# KiCad board gk-pcbv3.kicad_pcb (continued)
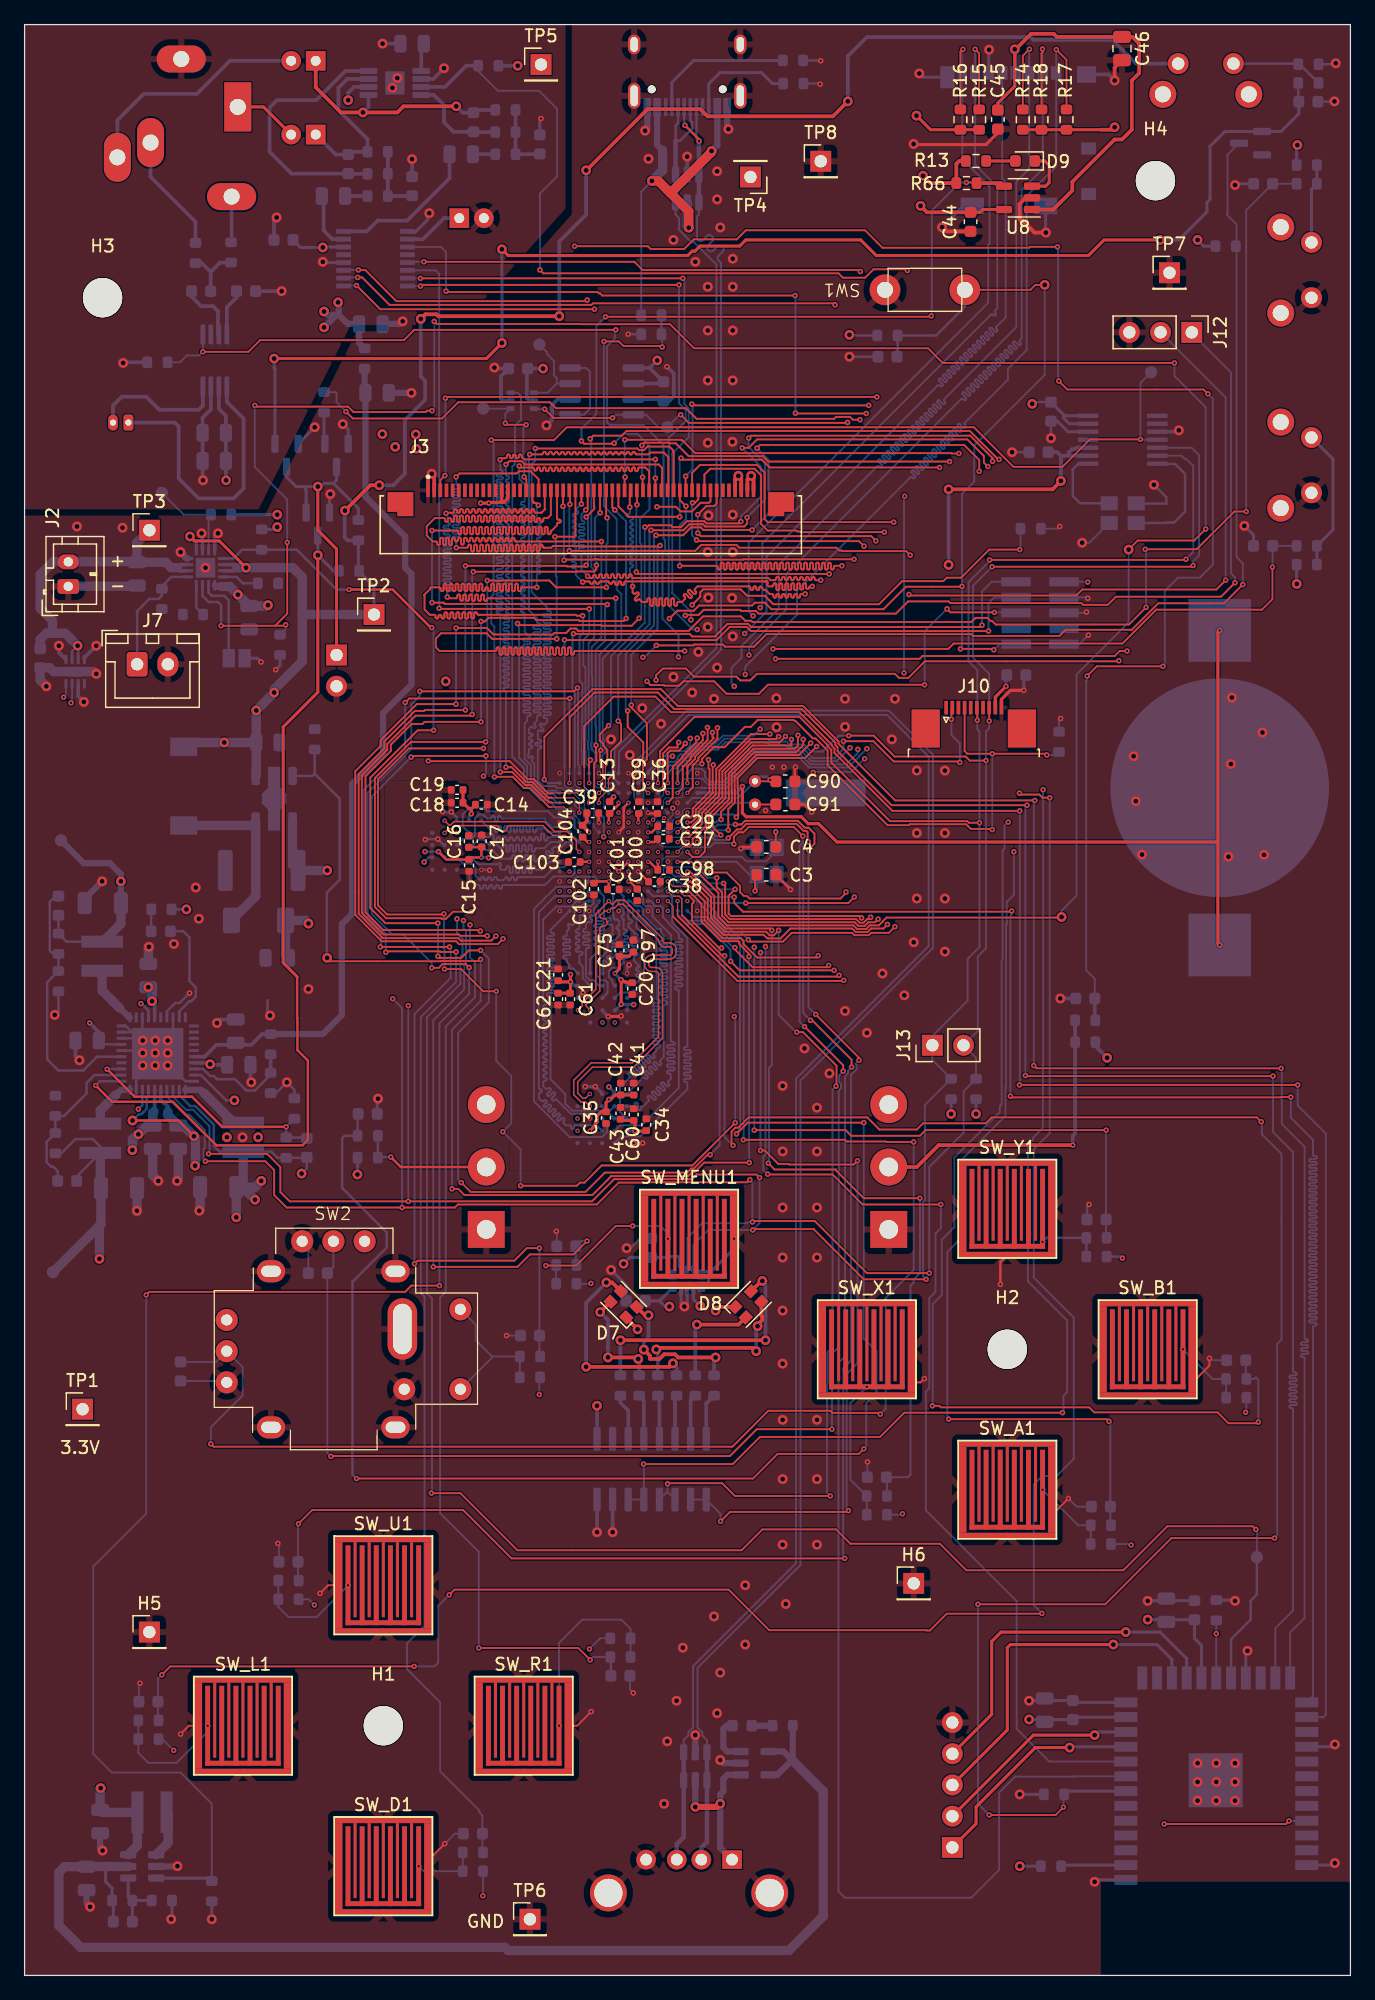
[diagram p0: board, top side]
## Footprints (pads in the part's own frame, mm; a bottom-side part is the same pattern mirrored in y, then rotated)
05-08-1681_ADI
  rect 0.813x0.254 smd: 1(-2.946,2.25) 2(-2.946,1.75) 3(-2.946,1.25) 4(-2.946,0.75) 5(-2.946,0.25) 6(-2.946,-0.25) 7(-2.946,-0.75) 8(-2.946,-1.25) 10(-2.946,-2.25) 21(2.946,-2.25) 22(2.946,-1.75) 23(2.946,-1.25) 24(2.946,-0.75) 25(2.946,-0.25) 26(2.946,0.25) 27(2.946,0.75) 28(2.946,1.25) 29(2.946,1.75) 30(2.946,2.25)
  rect 0.813x0.25 smd: 9(-2.946,-1.75)
  rect 0.254x0.813 smd: 11(-2.25,-2.946) 12(-1.75,-2.946) 13(-1.25,-2.946) 14(-0.75,-2.946) 15(-0.25,-2.946) 16(0.25,-2.946) 17(0.75,-2.946) 18(1.25,-2.946) 19(1.75,-2.946) 20(2.25,-2.946) 31(2.25,2.946) 32(1.75,2.946) 33(1.25,2.946) 34(0.75,2.946) 35(0.25,2.946) 36(-0.25,2.946) 37(-0.75,2.946) 38(-1.25,2.946) 39(-1.75,2.946) 40(-2.25,2.946)
  rect 4.191x4.191 smd: 41(0,0)
AMPHENOL_F32Q-1A7H1-11054
  rect 1.1x0.3 smd: 1(-2.61,-13.05) 2(-2.61,-12.55) 3(-2.61,-12.05) 4(-2.61,-11.55) 5(-2.61,-11.05) 6(-2.61,-10.55) 7(-2.61,-10.05) 8(-2.61,-9.55) 9(-2.61,-9.05) 10(-2.61,-8.55) 11(-2.61,-8.05) 12(-2.61,-7.55) 13(-2.61,-7.05) 14(-2.61,-6.55) 15(-2.61,-6.05) 16(-2.61,-5.55) 17(-2.61,-5.05) 18(-2.61,-4.55) 19(-2.61,-4.05) 20(-2.61,-3.55) 21(-2.61,-3.05) 22(-2.61,-2.55) 23(-2.61,-2.05) 24(-2.61,-1.55) 25(-2.61,-1.05) 26(-2.61,-0.55) 27(-2.61,-0.05) 28(-2.61,0.45) 29(-2.61,0.95) 30(-2.61,1.45) 31(-2.61,1.95) 32(-2.61,2.45) 33(-2.61,2.95) 34(-2.61,3.45) 35(-2.61,3.95) 36(-2.61,4.45) 37(-2.61,4.95) 38(-2.61,5.45) 39(-2.61,5.95) 40(-2.61,6.45) 41(-2.61,6.95) 42(-2.61,7.45) 43(-2.61,7.95) 44(-2.61,8.45) 45(-2.61,8.95) 46(-2.61,9.45) 47(-2.61,9.95) 48(-2.61,10.45) 49(-2.61,10.95) 50(-2.61,11.45) 51(-2.61,11.95) 52(-2.61,12.45) 53(-2.61,12.95) 54(-2.61,13.45)
  custom 1.96x2.11 smd: SH1(-1.61,-15.3) SH2(-1.61,15.7)
ATWILC3000-MR110CA_MCH
  rect 1.88x0.813 smd: 1(-7.366,5.219) 2(-7.366,4.015) 3(-7.366,2.811) 4(-7.366,1.607) 5(-7.366,0.403) 6(-7.366,-0.801) 7(-7.366,-2.005) 8(-7.366,-3.209) 9(-7.366,-4.413) 10(-7.366,-5.617) 11(-7.366,-6.821) 12(-7.366,-8.025) 13(-7.366,-9.229) 25(7.366,-9.229) 26(7.366,-8.025) 27(7.366,-6.821) 28(7.366,-5.617) 29(7.366,-4.413) 30(7.366,-3.209) 31(7.366,-2.005) 32(7.366,-0.801) 33(7.366,0.403) 34(7.366,1.607) 35(7.366,2.811) 36(7.366,4.015)
  rect 0.813x1.88 smd: 14(-6.022,-11.214) 15(-4.818,-11.214) 16(-3.614,-11.214) 17(-2.41,-11.214) 18(-1.206,-11.214) 19(-0.003,-11.214) 20(1.201,-11.214) 21(2.405,-11.214) 22(3.609,-11.214) 23(4.813,-11.214) 24(6.017,-11.214)
  rect 4.394x4.394 smd: 37(-0.048,-2.886)
BatteryHolder_Keystone_3002_1x2032
  rect 5.1x5.1 smd: 1(-12.8,0) 1(12.8,0)
  round 17.8 smd: 2(0,0)
BGA24_Hyperbus
  round 0.35 smd: A2(-1,2) A3(0,2) A4(1,2) A5(2,2) B1(-2,1) B2(-1,1) B3(0,1) B4(1,1) B5(2,1) C1(-2,0) C2(-1,0) C3(0,0) C4(1,0) C5(2,0) D1(-2,-1) D2(-1,-1) D3(0,-1) D4(1,-1) D5(2,-1) E1(-2,-2) E2(-1,-2) E3(0,-2) E4(1,-2) E5(2,-2)
C_0402_1005Metric
  rrect 0.56x0.62 smd: 1(-0.48,0) 2(0.48,0)
C_0603_1608Metric
  rrect 0.9x0.95 smd: 1(-0.775,0) 2(0.775,0)
C_0805_2012Metric
  rrect 1x1.45 smd: 1(-0.95,0) 2(0.95,0)
C_1206_3216Metric
  rrect 1.15x1.8 smd: 1(-1.475,0) 2(1.475,0)
CP_Radial_D5.0mm_P2.00mm
  rect 1.6x1.6 hole 0.8: 1(0,0)
  round 1.6 hole 0.8: 2(2,0)
Crystal_C26-LF_D2.1mm_L6.5mm_Horizontal_1EP_style1
  round 1 hole 0.5: 1(0,0) 2(1.9,0)
  rect 2.2x6.5 smd: 3(0.95,-5.75)
Crystal_SMD_SeikoEpson_TSX3225-4Pin_3.2x2.5mm
  rect 1.4x1.15 smd: 1(-1.1,-0.8) 2(1.1,-0.8) 3(1.1,0.8) 4(-1.1,0.8)
D_SOD-128
  rrect 1.4x2.1 smd: 1(-2.2,0) 2(2.2,0)
HVSSOP-8-1EP_3x3mm_P0.65mm_EP1.57x1.89mm
  rrect 0.63x0.76 smd: (-0.39,-0.47) (-0.39,0.47) (0.39,-0.47) (0.39,0.47)
  rrect 1.45x0.5 smd: 1(-2.15,0.975) 2(-2.15,0.325) 3(-2.15,-0.325) 4(-2.15,-0.975) 5(2.15,-0.975) 6(2.15,-0.325) 7(2.15,0.325) 8(2.15,0.975)
  rect 1.57x1.89 smd: 9(0,0)
Jack_3.5mm_Ledino_KB3SPRS_Horizontal
  oval 4x2.2 hole 1.3: R(4.1,9.8) RN(2.9,7.1)
  oval 2.2x4 hole 1.3: S(-3.9,4.6) TN(7.3,0.5)
  rect 4x2.2 hole 1.3: T(0,0)
JST_PH_B2B-PH-K_1x02_P2.00mm_Vertical
  rrect 1.2x1.75 hole 0.75: 1(0,0)
  oval 1.2x1.75 hole 0.75: 2(2,0)
JST_XH_B2B-XH-A_1x02_P2.50mm_Vertical
  rrect 1.7x2 hole 1: 1(0,0)
  oval 1.7x2 hole 1: 2(2.5,0)
L_7.3x7.3_H3.5
  rect 1.5x2.2 smd: 1(-3.2,0) 2(3.2,0)
L_Coilcraft_XAL4020-XXX
  rect 0.98x3.4 smd: 1(-1.185,0) 2(1.185,0)
LED_0603_1608Metric
  rrect 0.875x0.95 smd: 1(-0.787,0) 2(0.787,0)
LED_ASMB-KTF0-0A306
  rect 0.9x0.8 smd: 1(-0.9,0.6) 2(-0.9,-0.6) 3(0.9,-0.6) 4(0.9,0.6)
LGA-14_3x2.5mm_P0.5mm_LayoutBorder3x4y
  rrect 0.625x0.35 smd: 1(-1.163,0.75) 2(-1.163,0.25) 3(-1.163,-0.25) 4(-1.163,-0.75) 8(1.163,-0.75) 9(1.163,-0.25) 10(1.163,0.25) 11(1.163,0.75)
  rrect 0.35x0.625 smd: 5(-0.5,-0.912) 6(0,-0.912) 7(0.5,-0.912) 12(0.5,0.912) 13(0,0.912) 14(-0.5,0.912)
microSD_HC_Molex_104031-0811
  rect 0.85x1.1 smd: 1(-3.105,5.45) 2(-2.005,5.45) 3(-0.905,5.45) 4(0.195,5.45) 5(1.295,5.45) 6(2.395,5.45) 7(3.495,5.45)
  rect 0.75x1.1 smd: 8(4.545,5.45)
  rect 1.2x1 smd: 9(-5.74,-0.7) 10(-5.74,-4.4)
  rect 1.55x1.35 smd: 11(-5.565,5.325)
  rect 1.9x1.35 smd: 11(-2.24,-5.375) 11(3.73,-5.375)
  rect 1.17x1.8 smd: 11(5.755,5.1)
Molex_PicoBlade_53048-0210_1x02_P1.25mm_Horizontal
  rrect 0.8x1.3 hole 0.5: 1(0,0)
  oval 0.8x1.3 hole 0.5: 2(1.25,0)
MountingHole_3.2mm_M3
  round 3.2 hole 3.2 unplated: (0,0)
MSOP-8_3x3mm_P0.65mm
  rrect 1.625x0.4 smd: 1(-2.112,0.975) 2(-2.112,0.325) 3(-2.112,-0.325) 4(-2.112,-0.975) 5(2.112,-0.975) 6(2.112,-0.325) 7(2.112,0.325) 8(2.112,0.975)
PinHeader_1x01_P2.54mm_Vertical
  rect 1.7x1.7 hole 1: 1(0,0)
PinHeader_1x02_P2.54mm_Vertical
  rect 1.7x1.7 hole 1: 1(0,0)
  oval 1.7x1.7 hole 1: 2(0,-2.54)
PinHeader_1x03_P2.54mm_Vertical
  rect 1.7x1.7 hole 1: 1(0,0)
  oval 1.7x1.7 hole 1: 2(0,-2.54) 3(0,-5.08)
PinHeader_1x05_P2.54mm_Vertical
  rect 1.7x1.7 hole 1: 1(0,0)
  oval 1.7x1.7 hole 1: 2(0,-2.54) 3(0,-5.08) 4(0,-7.62) 5(0,-10.16)
PinHeader_2x05_P1.27mm_Vertical_SMD
  rect 2.4x0.74 smd: 1(-1.95,2.54) 2(1.95,2.54) 3(-1.95,1.27) 4(1.95,1.27) 5(-1.95,0) 6(1.95,0) 7(-1.95,-1.27) 8(1.95,-1.27) 9(-1.95,-2.54) 10(1.95,-2.54)
PW14
  rect 1.676x0.356 smd: 1(-2.819,1.95) 2(-2.819,1.3) 3(-2.819,0.65) 4(-2.819,0) 5(-2.819,-0.65) 6(-2.819,-1.3) 7(-2.819,-1.95) 8(2.819,-1.95) 9(2.819,-1.3) 10(2.819,-0.65) 11(2.819,0) 12(2.819,0.65) 13(2.819,1.3) 14(2.819,1.95)
R_0603_1608Metric
  rrect 0.8x0.95 smd: 1(-0.825,0) 2(0.825,0)
R_2512_6332Metric
  rrect 1.225x3.35 smd: 1(-2.962,0) 2(2.962,0)
SO-8_3.9x4.9mm_P1.27mm
  rrect 1.75x0.6 smd: 1(-2.575,1.905) 2(-2.575,0.635) 3(-2.575,-0.635) 4(-2.575,-1.905) 5(2.575,-1.905) 6(2.575,-0.635) 7(2.575,0.635) 8(2.575,1.905)
SOIC-16_3.9x9.9mm_P1.27mm
  rrect 1.95x0.6 smd: 1(-2.475,4.445) 2(-2.475,3.175) 3(-2.475,1.905) 4(-2.475,0.635) 5(-2.475,-0.635) 6(-2.475,-1.905) 7(-2.475,-3.175) 8(-2.475,-4.445) 9(2.475,-4.445) 10(2.475,-3.175) 11(2.475,-1.905) 12(2.475,-0.635) 13(2.475,0.635) 14(2.475,1.905) 15(2.475,3.175) 16(2.475,4.445)
SolderJumper-2_P1.3mm_Open_Pad1.0x1.5mm
  rect 1x1.5 smd: 1(-0.65,0) 2(0.65,0)
SOT-23
  rrect 1.475x0.6 smd: 1(-0.938,0.95) 2(-0.938,-0.95) 3(0.938,0)
SOT-23-5
  rrect 1.325x0.6 smd: 1(-1.137,0.95) 2(-1.137,0) 3(-1.137,-0.95) 4(1.137,-0.95) 5(1.137,0.95)
SOT-23-6
  rrect 1.325x0.6 smd: 1(-1.137,0.95) 2(-1.137,0) 3(-1.137,-0.95) 4(1.137,-0.95) 5(1.137,0) 6(1.137,0.95)
SOT-89-5
  rrect 1.5x0.7 smd: 1(-1.85,1.5) 3(-1.85,-1.5) 4(1.85,-1.5) 5(1.85,1.5)
  custom 5.2x2 smd: 2(0,0)
SOT-363_SC-70-6
  rrect 0.65x0.4 smd: 1(-0.95,0.65) 2(-0.95,0) 3(-0.95,-0.65) 4(0.95,-0.65) 5(0.95,0) 6(0.95,0.65)
SSOP-16_3.9x4.9mm_P0.635mm
  rect 1.2x0.4 smd: 1(-2.6,2.223) 2(-2.6,1.587) 3(-2.6,0.953) 4(-2.6,0.318) 5(-2.6,-0.318) 6(-2.6,-0.953) 7(-2.6,-1.587) 8(-2.6,-2.223) 9(2.6,-2.223) 10(2.6,-1.587) 11(2.6,-0.953) 12(2.6,-0.318) 13(2.6,0.318) 14(2.6,0.953) 15(2.6,1.587) 16(2.6,2.223)
SW_Tactile_SKHH_Angled
  round 2.2 hole 1.3: (-1.25,-2.5) (5.75,-2.5)
  round 1.7 hole 1: 1(0,0) 2(4.5,0)
Tactile Switch 6x3.5mm
  round 2.5 hole 1.3: 1(-3.25,0) 2(3.25,0)
TDFN-8-1EP_2x2mm_P0.5mm_EP0.8x1.2mm
  rrect 0.28x0.44 smd: (-0.2,-0.3) (-0.2,0.3) (0.2,-0.3) (0.2,0.3)
  rrect 0.775x0.25 smd: 1(-0.988,0.75) 2(-0.988,0.25) 3(-0.988,-0.25) 4(-0.988,-0.75) 5(0.988,-0.75) 6(0.988,-0.25) 7(0.988,0.25) 8(0.988,0.75)
  rect 0.8x1.2 smd: 9(0,0)
TE_1-1734839-0_1x10-1MP_P0.5mm_Horizontal
  rect 0.3x1.1 smd: 1(-2.25,1.35) 2(-1.75,1.35) 3(-1.25,1.35) 4(-0.75,1.35) 5(-0.25,1.35) 6(0.25,1.35) 7(0.75,1.35) 8(1.25,1.35) 9(1.75,1.35) 10(2.25,1.35)
  rect 2.3x3.1 smd: MP(-3.92,-0.35) MP(3.92,-0.35)
TerminalBlock_bornier-3_P5.08mm
  rect 3x3 hole 1.52: 1(0,0)
  round 3 hole 1.52: 2(5.08,0) 3(10.16,0)
TestPoint_Pad_D1.0mm
  round 1 smd: 1(0,0)
TFBGA225_STM
  round 0.33 smd: A1(-5.6,5.6) A2(-4.8,5.6) A3(-4,5.6) A4(-3.2,5.6) A5(-2.4,5.6) A6(-1.6,5.6) A7(-0.8,5.6) A8(0,5.6) A9(0.8,5.6) A10(1.6,5.6) A11(2.4,5.6) A12(3.2,5.6) A13(4,5.6) A14(4.8,5.6) A15(5.6,5.6) B1(-5.6,4.8) B2(-4.8,4.8) B3(-4,4.8) B4(-3.2,4.8) B5(-2.4,4.8) B6(-1.6,4.8) B7(-0.8,4.8) B8(0,4.8) B9(0.8,4.8) B10(1.6,4.8) B11(2.4,4.8) B12(3.2,4.8) B13(4,4.8) B14(4.8,4.8) B15(5.6,4.8) C1(-5.6,4) C2(-4.8,4) C3(-4,4) C4(-3.2,4) C5(-2.4,4) C6(-1.6,4) C7(-0.8,4) C8(0,4) C9(0.8,4) C10(1.6,4) C11(2.4,4) C12(3.2,4) C13(4,4) C14(4.8,4) C15(5.6,4) D1(-5.6,3.2) D2(-4.8,3.2) D3(-4,3.2) D4(-3.2,3.2) D5(-2.4,3.2) D6(-1.6,3.2) D7(-0.8,3.2) D8(0,3.2) D9(0.8,3.2) D10(1.6,3.2) D11(2.4,3.2) D12(3.2,3.2) D13(4,3.2) D14(4.8,3.2) D15(5.6,3.2) E1(-5.6,2.4) E2(-4.8,2.4) E3(-4,2.4) E4(-3.2,2.4) E5(-2.4,2.4) E6(-1.6,2.4) E7(-0.8,2.4) E8(0,2.4) E9(0.8,2.4) E10(1.6,2.4) E11(2.4,2.4) E12(3.2,2.4) E13(4,2.4) E14(4.8,2.4) E15(5.6,2.4) F1(-5.6,1.6) F2(-4.8,1.6) F3(-4,1.6) F4(-3.2,1.6) F5(-2.4,1.6) F6(-1.6,1.6) F7(-0.8,1.6) F8(0,1.6) F9(0.8,1.6) F10(1.6,1.6) F11(2.4,1.6) F12(3.2,1.6) F13(4,1.6) F14(4.8,1.6) F15(5.6,1.6) G1(-5.6,0.8) G2(-4.8,0.8) G3(-4,0.8) G4(-3.2,0.8) G5(-2.4,0.8) G6(-1.6,0.8) G7(-0.8,0.8) G8(0,0.8) G9(0.8,0.8) G10(1.6,0.8) G11(2.4,0.8) G12(3.2,0.8) G13(4,0.8) G14(4.8,0.8) G15(5.6,0.8) H1(-5.6,0) H2(-4.8,0) H3(-4,0) H4(-3.2,0) H5(-2.4,0) H6(-1.6,0) H7(-0.8,0) H8(0,0) H9(0.8,0) H10(1.6,0) H11(2.4,0) H12(3.2,0) H13(4,0) H14(4.8,0) H15(5.6,0) J1(-5.6,-0.8) J2(-4.8,-0.8) J3(-4,-0.8) J4(-3.2,-0.8) J5(-2.4,-0.8) J6(-1.6,-0.8) J7(-0.8,-0.8) J8(0,-0.8) J9(0.8,-0.8) J10(1.6,-0.8) J11(2.4,-0.8) J12(3.2,-0.8) J13(4,-0.8) J14(4.8,-0.8) J15(5.6,-0.8) K1(-5.6,-1.6) K2(-4.8,-1.6) K3(-4,-1.6) K4(-3.2,-1.6) K5(-2.4,-1.6) K6(-1.6,-1.6) K7(-0.8,-1.6) K8(0,-1.6) K9(0.8,-1.6) K10(1.6,-1.6) K11(2.4,-1.6) K12(3.2,-1.6) K13(4,-1.6) K14(4.8,-1.6) K15(5.6,-1.6) L1(-5.6,-2.4) L2(-4.8,-2.4) L3(-4,-2.4) L4(-3.2,-2.4) L5(-2.4,-2.4) L6(-1.6,-2.4) L7(-0.8,-2.4) L8(0,-2.4) L9(0.8,-2.4) L10(1.6,-2.4) L11(2.4,-2.4) L12(3.2,-2.4) L13(4,-2.4) L14(4.8,-2.4) L15(5.6,-2.4) M1(-5.6,-3.2) M2(-4.8,-3.2) M3(-4,-3.2) M4(-3.2,-3.2) M5(-2.4,-3.2) M6(-1.6,-3.2) M7(-0.8,-3.2) M8(0,-3.2) M9(0.8,-3.2) M10(1.6,-3.2) M11(2.4,-3.2) M12(3.2,-3.2) M13(4,-3.2) M14(4.8,-3.2) M15(5.6,-3.2) N1(-5.6,-4) N2(-4.8,-4) N3(-4,-4) N4(-3.2,-4) N5(-2.4,-4) N6(-1.6,-4) N7(-0.8,-4) N8(0,-4) N9(0.8,-4) N10(1.6,-4) N11(2.4,-4) N12(3.2,-4) N13(4,-4) N14(4.8,-4) N15(5.6,-4) P1(-5.6,-4.8) P2(-4.8,-4.8) P3(-4,-4.8) P4(-3.2,-4.8) P5(-2.4,-4.8) P6(-1.6,-4.8) P7(-0.8,-4.8) P8(0,-4.8) P9(0.8,-4.8) P10(1.6,-4.8) P11(2.4,-4.8) P12(3.2,-4.8) P13(4,-4.8) P14(4.8,-4.8) P15(5.6,-4.8) R1(-5.6,-5.6) R2(-4.8,-5.6) R3(-4,-5.6) R4(-3.2,-5.6) R5(-2.4,-5.6) R6(-1.6,-5.6) R7(-0.8,-5.6) R8(0,-5.6) R9(0.8,-5.6) R10(1.6,-5.6) R11(2.4,-5.6) R12(3.2,-5.6) R13(4,-5.6) R14(4.8,-5.6) R15(5.6,-5.6)
TouchButton-8x8mm
  rect 0.675x7 smd: 1(-3.663,0) 1(3.663,0)
  rect 0.25x6.1 smd: 1(-2.3,0.45) 1(-1.15,0.45) 1(0,0.45) 1(1.15,0.45) 1(2.3,0.45)
  rect 8x0.5 smd: 1(0,3.75) 1(0,-3.75)
  rect 0.4x6.5 smd: 2(-2.875,0) 2(-1.725,0) 2(-0.575,0) 2(0.575,0) 2(1.725,0) 2(2.875,0)
  rect 6.15x0.4 smd: 2(0,-3.05)
USB_A_Molex_67643_Horizontal
  rect 1.6x1.5 hole 0.95: 1(0,0)
  round 1.6 hole 0.95: 2(2.5,0) 3(4.5,0) 4(7,0)
  round 3 hole 2.3: 5(-3.07,-2.71) 5(10.07,-2.71)
USB_C_Receptacle_HRO_TYPE-C-31-M-12
  round 0.65 hole 0.65 unplated: (-2.89,2.6) (2.89,2.6)
  rect 0.6x1.45 smd: A1(-3.25,4.045) A4(-2.45,4.045) A9(2.45,4.045) A12(3.25,4.045) B1(3.25,4.045) B4(2.45,4.045) B9(-2.45,4.045) B12(-3.25,4.045)
  rect 0.3x1.45 smd: A5(-1.25,4.045) A6(-0.25,4.045) A7(0.25,4.045) A8(1.25,4.045) B5(1.75,4.045) B6(0.75,4.045) B7(-0.75,4.045) B8(-1.75,4.045)
  oval 1x1.6 hole 0.6x1.2: S1(-4.32,-1.05) S1(4.32,-1.05)
  oval 1x2.1 hole 0.6x1.7: S1(-4.32,3.13) S1(4.32,3.13)
VQFN-16-1EP_3x3mm_P0.5mm_EP1.6x1.6mm
  rrect 0.6x0.6 smd: (-0.4,-0.4) (-0.4,0.4) (0.4,-0.4) (0.4,0.4)
  rrect 0.875x0.25 smd: 1(-1.438,0.75) 2(-1.438,0.25) 3(-1.438,-0.25) 4(-1.438,-0.75) 9(1.438,-0.75) 10(1.438,-0.25) 11(1.438,0.25) 12(1.438,0.75)
  rrect 0.25x0.875 smd: 5(-0.75,-1.438) 6(-0.25,-1.438) 7(0.25,-1.438) 8(0.75,-1.438) 13(0.75,1.438) 14(0.25,1.438) 15(-0.25,1.438) 16(-0.75,1.438)
  rect 1.6x1.6 smd: 17(0,0)
XBOX_THUMB_ROT_OVERLAP
  round 1.8 hole 0.9: 1(10.389,3.404) 3(10.389,-3.099) 4(5.817,-3.099) 5(-2.489,8.941) 6(0.051,8.941) 7(2.591,8.941) 8(-8.636,-2.54) 9(-8.636,0) 10(-8.636,2.54)
  oval 2.4x5 hole 1.5x4.1: 2(5.667,1.804)
  oval 2.3x1.8 hole 1.6x0.9: 11(-5.029,6.502) 12(5.105,6.502) 13(5.105,-6.198) 14(-5.029,-6.198)

## Nets
+1V8: C12.1 C14.1 C15.1 C16.1 C17.1 C18.1 C19.1 C20.1 C21.1 C26.1 C34.1 C35.1 C41.1 C42.1 C43.1 C60.1 C61.1 C62.1 C75.1 C85.1 C97.1 C100.1 C101.1 C102.1 C103.1 C104.1 L7.1 R93.1 TP13.1 U4.H12 U4.J11 U4.K12 U4.L8 U4.L10 U4.M8 U4.M10 U5.B4 U5.D1 U5.E4 U6.B4 U6.D1 U6.E4 U17.B4 U17.D1 U17.E4 U19.2 U19.3
GND: BT1.2 C1.2 C2.2 C3.2 C4.2 C5.2 C6.2 C7.2 C8.2 C10.2 C11.2 C12.2 C13.2 C14.2 C15.2 C16.2 C17.2 C18.2 C19.2 C20.2 C21.2 C22.2 C23.2 C24.2 C25.2 C26.2 C27.2 C28.2 C29.2 C30.2 C31.2 C32.2 C33.2 C34.2 C35.2 C36.2 C37.2 C38.2 C39.2 C40.2 C41.2 C42.2 C43.2 C44.2 C45.2 C46.2 C47.2 C48.2 C51.2 C53.2 C57.1 C58.2 C59.2 C60.2 C61.2 C62.2 C63.2 C64.2 C65.2 C66.2 C67.2 C68.2 C69.2 C70.2 C71.2 C72.2 C73.2 C74.2 C75.2 C76.2 C79.2 C80.2 C81.2 C83.2 C84.2 C86.2 C87.2 C88.2 C89.2 C90.2 C91.2 C93.2 C94.2 C95.2 C96.2 C97.2 C98.2 C99.2 C100.2 C101.2 C102.2 C103.2 C104.2 C105.2 H5.1 H6.1 J1.A1 J1.A12 J1.B1 J1.B12 J1.S1 J2.1 J3.1 J3.2 J4.6 J4.11 J5.S J7.2 J8.3 J8.5 J8.9 J10.10 J12.3 J14.4 J14.5 J15.2 J16.5 JP4.1 Q1.2 Q2.2 Q4.2 Q5.2 R1.1 R4.2 R5.2 R6.1 R7.2 R8.2 R10.2 R11.1 R22.2 R26.2 R27.2 R48.2 R52.2 R54.2 R56.2 R57.1 R72.2 R74.1 R90.2 R94.2 R96.2 SW1.2 SW2.2 SW2.4 SW2.5 SW2.8 SW2.11 SW2.12 SW2.13 SW2.14 SW_A1.1 SW_B1.1 SW_D1.1 SW_L1.1 SW_LB1.1 SW_MENU1.1 SW_R1.1 SW_RB1.1 SW_U1.1 SW_VOLDOWN1.1 SW_VOLUP1.1 SW_X1.1 SW_Y1.1 TP6.1 TP7.1 TP8.1 U1.2 U3.3 U3.6 U4.A1 U4.A8 U4.A11 U4.A15 U4.D3 U4.D6 U4.E3 U4.E8 U4.E9 U4.F6 U4.F15 U4.G2 U4.G8 U4.G10 U4.G12 U4.H1 U4.H2 U4.H7 U4.H8 U4.H9 U4.H11 U4.J1 U4.J5 U4.J8 U4.J10 U4.J12 U4.J15 U4.K4 U4.K7 U4.K9 U4.L6 U4.L11 U4.M7 U4.M9 U4.M15 U4.N8 U4.R1 U4.R6 U4.R9 U4.R12 U4.R15 U5.B3 U5.C1 U5.E5 U6.B3 U6.C1 U6.E5 U7.4 U7.9 U8.2 U9.1 U9.2 U9.3 U9.6 U9.7 U10.1 U10.4 U10.6 U10.9 U11.7 U11.8 U12.7 U13.5 U14.2 U14.9 U17.B3 U17.C1 U17.E5 U19.5 U19.10 U20.2 U21.4 U21.6 U21.8 U21.17 U22.2 U23.2 U24.2 U25.1 U25.13 U25.21 U25.28 U25.36 U25.37 U26.10 U26.19 U26.26 U26.28 U26.29 U26.30 U26.33 U26.37 U26.38 U26.41 Y1.2 Y1.4 Y3.2 Y3.4
VBAT: BT1.1 U4.C1
VBAT_STAT: R77.1 U4.N3 U21.9
VCC: C5.1 C6.1 C8.1 C13.1 C24.1 C25.1 C29.1 C32.1 C33.1 C37.1 C40.1 C44.1 C58.1 C59.1 C78.1 C86.1 C98.1 C99.1 D7.1 D8.1 J3.13 J3.14 J8.1 J10.9 L6.1 R2.2 R9.1 R13.1 R14.1 R15.1 R16.1 R17.1 R18.1 R23.1 R24.1 R25.2 R28.1 R30.1 R32.1 R34.1 R36.1 R38.1 R40.1 R42.1 R44.1 R46.1 R50.1 R66.1 R67.1 R68.1 R77.2 R81.2 R84.1 R89.1 SW2.7 SW2.10 TP1.1 U3.1 U3.2 U4.D9 U4.F7 U4.F8 U4.F9 U4.F10 U4.G6 U4.H6 U4.H10 U4.J6 U4.K5 U4.K6 U4.K8 U4.K10 U4.L9 U8.5 U9.5 U9.8 U9.12 U11.9 U13.2 U19.6 U19.7 U25.12 U25.18 U26.9 U26.12 U26.18 U26.34
VDDA: C23.1 C47.1 C80.1 C81.1 FB1.2 R71.2 TP5.1 U7.6 U12.6 U14.6
VDDA_L: C22.1 C76.1 FB1.1 R55.1 U26.6
/MCUA/UART8_RX: J12.2 U4.A2
/MCUA/UART8_TX: J12.1 U4.C3
/Memory/SD_VCC: C45.1 C46.1 J4.4 U8.1
BAT_SYSOFF: R1.2 U4.K3 U21.15
BOOST_EN: R10.1 U4.E11 U20.3
BTN_MCU_A: C63.1 R29.2 U4.C11
BTN_MCU_B: C64.1 R31.2 U4.D7
BTN_MCU_D: C68.1 R39.2 U4.A13
BTN_MCU_JOY: C94.1 R80.2 U4.A14
BTN_MCU_L: C69.1 R41.2 U4.D11
BTN_MCU_LB: C84.1 R83.2 U4.R2
BTN_MCU_MENU: C74.1 R51.2 U4.L14
BTN_MCU_ONOFF: Q5.3 R67.2 U4.F5
BTN_MCU_R: C70.1 R43.2 U4.N13
BTN_MCU_RB: C105.1 R85.2 U4.B1
BTN_MCU_U: C67.1 R37.2 U4.G4
BTN_MCU_VOLDOWN: C72.1 R47.2 U4.A5
BTN_MCU_VOLUP: C71.1 R45.2 U4.P14
BTN_MCU_X: C65.1 R33.2 U4.L2
BTN_MCU_Y: C66.1 R35.2 U4.R5
BTNLED_B: U4.B12 U11.5 U11.6
BTNLED_G: U4.L3 U11.3 U11.4
BTNLED_R: U4.P5 U11.1 U11.2
CTP_INT: J10.2 U4.A4
CTP_NRESET: J10.4 R52.1 U4.A3
I2C2_SCL: J10.8 J13.2 R24.2 U4.C5 U9.13 U10.7 U19.12 U26.14
I2C2_SDA: J10.6 J13.1 R23.2 U4.B5 U9.14 U10.8 U19.13 U26.13
I2S_CKIN: TP14.1 U4.E14 U19.11
JOY_X: C96.1 SW2.6 U4.L5
JOY_Y: C95.1 SW2.9 U4.P1
LCD_CS: J3.46 U4.P3
LCD_RESET: J3.47 U4.E5
LCD_SCL: J3.45 U4.N5
LCD_SDI: J3.44 U4.P4
LCD_SDO: J3.48 U4.R3
LED_BACKLIGHT_PWM: R4.1 U4.N2 U22.3
LPTIM5_OUT: TP15.1 U4.L13 U25.20
LTDC_B0: J3.43 U4.M5
LTDC_B1: J3.42 U4.F1
LTDC_B2: J3.41 U4.C14
LTDC_B3: J3.40 U4.C15
LTDC_B4: J3.39 U4.E13
LTDC_B5: J3.38 U4.D14
LTDC_B6: J3.37 U4.F12
LTDC_B7: J3.36 U4.L4
LTDC_CLK: TP9.1 U3.4 U4.G5 U13.3
LTDC_CLK_OUT: J3.17 TP11.1 U13.4
LTDC_CLK_SELECT: U4.F13 U13.6
LTDC_DE: J3.3 U4.N1
LTDC_G0: J3.35 U4.H4
LTDC_G1: J3.34 U4.H3
LTDC_G2: J3.33 U4.M2
LTDC_G3: J3.32 U4.M1
LTDC_G4: J3.31 U4.N15
LTDC_G5: J3.30 U4.L12
LTDC_G6: J3.29 U4.N14
LTDC_G7: J3.28 U4.P15
LTDC_HSYNC: J3.19 U4.C6
LTDC_R0: J3.27 U4.J2
LTDC_R1: J3.26 U4.J3
LTDC_R2: J3.25 U4.B3
LTDC_R3: J3.24 U4.D5
LTDC_R4: J3.23 U4.M4
LTDC_R5: J3.22 U4.G11
LTDC_R6: J3.21 U4.E10
LTDC_R7: J3.20 U4.B11
LTDC_VSYNC: J3.18 U4.C12
MCU_PWR_EN: R79.2 U4.E4
NRST: C11.1 J8.10 R9.2 SW1.1 U4.J4
PCM_MUTE: R71.1 U4.M6 U14.3
PCM_ZERO: U4.P2 U7.11
ROT_A: R36.2 R37.1 SW_U1.2
ROT_B: R38.2 R39.1 SW_D1.2
ROT_SW: R80.1 R81.1 SW2.1 SW2.3
SAI1_FS_A: U4.E2 U7.3
SAI1_MCLK_A: U4.B2 U7.16
SAI1_SCK_A: U4.F4 U7.1
SAI1_SD_A: U4.E1 U7.2
SD_PWR: R66.2 U4.D15 U8.4
SDMMC1_CK: J4.5 U4.E7
SDMMC1_CMD: J4.3 R14.2 U4.B6
SDMMC1_D0: J4.7 R15.2 U4.M13
SDMMC1_D1: J4.8 R16.2 U4.M14
SDMMC1_D2: J4.1 R17.2 U4.F3
SDMMC1_D3: J4.2 R18.2 U4.F2
SPI2_MOSI: U4.L1 U7.13
SPI2_NSS: U4.C2 U7.15
SPI2_SCK: U4.A12 U7.14
SPI3_MISO: U4.B15 U25.24
SPI3_MOSI: U4.D12 U25.26
SPI3_NSS: U4.M3 U25.25
SPI3_SCK: U4.B14 U25.23
SPKR_NSD: R22.1 U4.D4 U12.1
SPKRL: J5.TN R64.1
SPKRR: J5.RN R65.1
SWCLK: J8.4 U4.D13
SWDIO: J8.2 U4.E12
SWO: J8.6 U4.C4
UART7_RX: U4.H5 U25.8
UART7_TX: U4.R4 U25.9
USB_D_N: J1.A7 J1.B7 U1.1 U1.6 U4.B9
USB_D_P: J1.A6 J1.B6 U1.3 U1.4 U4.A9
USB_HOST_D_N: J14.2 U4.A7 U23.3 U23.4
USB_HOST_D_P: J14.3 U4.B7 U23.1 U23.6
USB_VBUS: C1.1 J1.A4 J1.A9 J1.B4 J1.B9 R53.1 TP4.1 U1.5 U21.13
VCAP: C27.1 C36.1 C38.1 C39.1 C77.1 L5.1 R95.1 TP12.1 U4.D8 U4.E6 U4.F11 U4.G7 U4.G9 U4.J7 U4.J9 U4.K11 U4.L7
VFB_B1: C78.2 R89.2 R90.1 U26.23
VFB_B2: C77.2 R95.2 R96.1 U26.22
VFB_B3: C85.2 R93.2 R94.1 U26.25
VFB_L1: R55.2 R72.1 U26.8
VLITH: C2.1 C79.1 J2.2 TP3.1 U10.2 U10.3 U21.2 U21.3
VREG_PGOOD: D1.1 U26.39
VREGEN: Q4.3 R82.2 U26.21
VREGIN: C7.1 C28.1 C30.1 C87.1 C88.1 C89.1 C93.1 L1.1 L2.2 R78.1 R82.1 R97.1 SW_ONOFF1.2 TP2.1 U20.6 U21.5 U21.10 U21.11 U22.1 U26.7 U26.15 U26.16 U26.17 U26.27 U26.35
VUSB_OUT: C9.1 C10.1 R12.1 R73.2 U20.5 U24.4 U24.5
WIFI_CHIP_EN: R26.1 U4.G3 U25.19
WIFI_IRQ: U4.B4 U25.33
WIFI_NRST: R27.1 U4.N4 U25.7
XPSI2_RESET#: U4.C13 U5.A4
XSPI1_CK_N: U4.P10 U6.B1 U17.B1
XSPI1_CK_P: U4.R10 U6.B2 U17.B2
XSPI1_CS#: U4.R13 U6.A3 U17.A3
XSPI1_DQ0: U4.P11 U6.D3
XSPI1_DQ1: U4.N12 U6.D2
XSPI1_DQ2: U4.N9 U6.C4
XSPI1_DQ3: U4.P9 U6.D4
XSPI1_DQ4: U4.R8 U6.D5
XSPI1_DQ5: U4.N10 U6.E3
XSPI1_DQ6: U4.R11 U6.E2
XSPI1_DQ7: U4.P12 U6.E1
XSPI1_DQ8: U4.P13 U17.D3
XSPI1_DQ9: U4.R14 U17.D2
XSPI1_DQ10: U4.M12 U17.C4
XSPI1_DQ11: U4.P6 U17.D4
XSPI1_DQ12: U4.N6 U17.D5
XSPI1_DQ13: U4.R7 U17.E3
XSPI1_DQ14: U4.N7 U17.E2
XSPI1_DQ15: U4.P8 U17.E1
XSPI1_RESET#: U4.B13 U6.A4 U17.A4
XSPI1_RWDS0: U4.N11 U6.C3
XSPI1_RWDS1: U4.M11 U17.C3
XSPI2_CK_N: U4.J13 U5.B1
XSPI2_CK_P: U4.J14 U5.B2
XSPI2_CS#: U4.F14 U5.C2
XSPI2_DQ0: U4.H15 U5.D3
XSPI2_DQ1: U4.G13 U5.D2
XSPI2_DQ2: U4.K14 U5.C4
XSPI2_DQ3: U4.K15 U5.D4
XSPI2_DQ4: U4.K13 U5.D5
XSPI2_DQ5: U4.H14 U5.E3
XSPI2_DQ6: U4.H13 U5.E2
XSPI2_DQ7: U4.G15 U5.E1
XSPI2_RWDS: U4.G14 U5.C3
Net-(C49-Pad2): C49.2 R3.1
Net-(C50-Pad2): C50.2 R21.1
Net-(C51-Pad1): C51.1 R3.2 R19.1 R20.1
Net-(C53-Pad1): C53.1 R21.2 R69.1 R70.1
Net-(C55-Pad2): C55.2 J5.T
Net-(C56-Pad2): C56.2 J5.R
Net-(C82-Pad2): C82.2 R64.2 R65.2
Net-(D1-A): D1.2 R97.2
Net-(D4-A): D4.2 L1.2 U22.5
Net-(D4-K): C31.1 D4.1 J3.51 J3.52
Net-(D5-A): D5.2 R73.1
Net-(D5-K): D5.1 U24.3
Net-(D7-BK): D7.4 R63.1
Net-(D7-GK): D7.3 R62.1
Net-(D7-RK): D7.2 R61.1
Net-(D8-BK): D8.4 R60.1
Net-(D8-GK): D8.3 R59.1
Net-(D8-RK): D8.2 R58.1
Net-(D9-A): D9.2 R13.2
Net-(D9-K): D9.1 U8.3
Net-(J1-CC1): J1.A5 R6.2
Net-(J1-CC2): J1.B5 R7.1
Net-(J3-Pin_53): J3.53 J3.54 R5.1 U22.4
Net-(J6-Pin_1): J6.1 U12.5
Net-(J6-Pin_2): J6.2 U12.8
Net-(J7-Pin_1): J7.1 R11.2 U21.1
Net-(J14-VBUS): J14.1 U23.5 U24.1
Net-(J15-Pin_1): J15.1 Q1.3 Q2.3 Q4.1 R78.2
Net-(J16-Pin_1): J16.1 U25.10
Net-(J16-Pin_2): J16.2 U25.11
Net-(J16-Pin_3): J16.3 U25.16
Net-(J16-Pin_4): J16.4 U25.17
Net-(JP4-B): JP4.2 U21.14
Net-(Q1-G): C73.1 Q1.1 Q5.1 R49.2
Net-(Q2-G): Q2.1 R79.1
Net-(R28-Pad2): R28.2 R29.1 SW_A1.2
Net-(R30-Pad2): R30.2 R31.1 SW_B1.2
Net-(R32-Pad2): R32.2 R33.1 SW_X1.2
Net-(R34-Pad2): R34.2 R35.1 SW_Y1.2
Net-(R40-Pad2): R40.2 R41.1 SW_L1.2
Net-(R42-Pad2): R42.2 R43.1 SW_R1.2
Net-(R44-Pad2): R44.2 R45.1 SW_VOLUP1.2
Net-(R46-Pad2): R46.2 R47.1 SW_VOLDOWN1.2
Net-(R48-Pad1): R48.1 R49.1 SW_ONOFF1.1
Net-(R50-Pad2): R50.2 R51.1 SW_MENU1.2
Net-(R68-Pad2): R68.2 R83.1 SW_LB1.2
Net-(R84-Pad2): R84.2 R85.1 SW_RB1.2
Net-(U3-CLK/2): U3.5 U3.8
Net-(U4A-BOOT0): R8.1 U4.A6
Net-(U4A-PC14-_OSC32_I_N): C90.1 U4.D2 Y2.1
Net-(U4A-PC15-_OSC32_O_UT): C91.1 U4.D1 Y2.2
Net-(U4B-PH0-_OSC_IN): C3.1 U4.K1 Y1.1
Net-(U4B-PH1-_OSC_OU_T): C4.1 U4.K2 Y1.3
Net-(U4B-PM8): R53.2 R54.1 U4.C9
Net-(U7-V_COM): C48.1 U7.10
Net-(U7-VOUTL): C49.1 U7.7
Net-(U7-VOUTR): C50.1 U7.8
Net-(U11-O1): R61.2 U11.16
Net-(U11-O2): R58.2 U11.15
Net-(U11-O3): R62.2 U11.14
Net-(U11-O4): R59.2 U11.13
Net-(U11-O5): R63.2 U11.12
Net-(U11-O6): R60.2 U11.11
Net-(U12-IN+): C82.1 U12.3
Net-(U12-IN-): C83.1 U12.4
Net-(U13-S2): TP10.1 U3.7 U13.1
Net-(U14-BYPASS): C57.2 U14.1
Net-(U14-IN1-): C52.2 R19.2 U14.8
Net-(U14-IN2-): C54.2 R70.2 U14.4
Net-(U14-VO1): C52.1 C55.1 R20.2 U14.7
Net-(U14-VO2): C54.1 C56.1 R69.2 U14.5
Net-(U19-XIN/CLK): U19.1 Y3.1
Net-(U19-XOUT): U19.14 Y3.3
Net-(U20-SW): L2.1 U20.1
Net-(U20-V_{FB}): C9.2 R12.2 R56.1 U20.4
Net-(U21-ILIM): R57.2 U21.12
Net-(U21-ISET): R74.2 U21.16
Net-(U21-~{PGOOD}): R2.1 TP17.1 U21.7
Net-(U25-SDIO/SPI_CFG): R25.1 U25.2
Net-(U26A-SW1): L6.2 U26.11
Net-(U26A-SW2): L5.2 U26.20
Net-(U26A-SW3): L7.2 U26.31

Pads without a net: J1 A8 B8; J3 4 5 6 7 8 9 10 11 12 15 16 49 50 SH1 SH2; J4 9 10; J8 7 8; J10 1 3 5 7 MP; SW_LB1 3; SW_RB1 3; U4 A10 B8 B10 C7 C8 C10 D10 E15 G1 L15 P7; U5 A2 A3 A5 B5 C5; U6 A2 A5 B5 C2 C5; U7 5 12; U9 4 9 10 11; U10 5; U11 10; U12 2; U17 A2 A5 B5 C2 C5; U19 4 8 9; U25 3 4 5 6 14 15 22 27 29 30 31 32 34 35; U26 1 2 3 4 5 24 32 36 40; Y2 3

## Via types
v1: diameter 0.45, hole 0.2, Top to Bottom, 534 vias
v2: diameter 0.8, hole 0.4, Top to Bottom, 308 vias
v3: diameter 0.35, hole 0.2, Top to Bottom, 152 vias

## Routing (per net, layer and track width the routed paths; a pad name or vN(x,y) marks a point on that pad's centre or on a via; arc(x,y) is an arc through that point)
+1V8: length 162.3
  Top w0.203: C100.1 49.27,89.03 v3(49.17,89.03) ; v3(45.97,92.23) 45.84,92.23 C104.1 ; C102.1 46.5,89.03 v3(47.57,89.03) 47.57,88.5 C101.1 ; C103.1 45.26,90.63 v3(45.97,90.63) ; v1(33.7,91.45) 34.34,90.81 C15.1 36.36,90.97 v3(37.2,90.97) 37.2,91.8 C17.1 36.19,91.82 C16.1 ; 32.6,91.45 v1(32.6,91.45)
  Top w0.25: v3(48.06,81.54) 48.43,81.92 C75.1 49.21,82.93 C97.1 ; C41.1 C42.1 48.09,71.65 47.72,71.28 v1(47.57,71.28) 47.57,71.26 47.34,71.03 C35.1 46.95,70.28 46.62,69.95 46.62,69.45 46.59,69.45 46.47,69.33 46.47,69.17 v3(46.02,68.73) ; v1(44.45,80.85) 43.53,80.85 C21.1 ; v1(44.45,80.85) 44.45,79.96 C61.1 C62.1 ; v1(44.45,80.85) v1(44.45,81.45) ; 36.37,94.94 C14.1 ; 36.37,94.94 v1(36.37,94.53) ; 36.37,94.94 36.18,94.94 C18.1 C19.1 ; v1(48.57,79.03) 48.57,81 v1(48.55,81.03) 48.64,81.03 48.82,80.85 48.97,80.85 49.04,80.78 C20.1 ; C43.1 48.62,69.57 C60.1 49.7,69.46 v1(49.7,68.7) 50.57,68.7 C34.1
  Top w0.305: v2(84.38,121.62) 83.69,120.93 v2(75.23,120.93)
  In2.Cu w0.305: v2(75.23,114.78) 72.49,114.78 66.27,108.56 59.28,108.56 59.08,108.36 58.85,108.36 57.96,107.47 55.83,107.47 54.76,106.4 54.64,106.53 52.22,106.53 51.82,106.12 44.04,106.12 43.23,105.31 v2(34.29,105.31)
  In2.Cu w0.762: v2(7.84,89.03) 10.26,91.45 v1(32.6,91.45)
  In3.Cu w0.305: v1(36.37,94.53) 36.37,99.95 34.29,102.03 v2(34.29,105.31)
  Bottom w0.203: 83.2,123.81 C12.1 ; v1(32.6,91.45) 32.6,91.45 v1(33.7,91.45) 34.18,90.97 U5.B4 ; v1(37.79,90.94) 37.76,90.97 v3(37.2,90.97) ; L7.1 3.42,84.12 R93.1 C85.1
  Bottom w0.25: v1(44.45,80.85) 44.76,80.54 U6.D1 ; v1(36.37,94.53) 36.2,94.35 U5.D1 ; v1(49.7,68.7) 49.67,68.73 v3(49.02,68.73) ; v1(48.55,81.03) 48.06,81.52 v3(48.06,81.54) ; v1(49.6,79) 49.57,79.03 v1(48.57,79.03) 48.09,78.54 U6.B4 ; v1(47.57,72.3) 48.02,71.85 U17.D1 v1(47.57,71.28)
  Bottom w0.305: 84.38,123.65 84.07,123.95 C12.1 ; 84.38,123.65 84.58,123.65 84.6,123.67 85.01,123.67 ; 84.38,123.65 v2(84.38,121.62) ; 85.01,123.67 85.01,123.93 85.29,124.21 85.5,124.21 85.61,124.32 U19.3 ; 85.01,123.67 U19.2 ; v2(75.23,114.78) v2(75.23,120.93)
  Bottom w0.508: C26.1 7.84,89.03 v2(7.84,89.03) 7.84,89.62 6.95,90.51 4.82,90.51 TP13.1
  Bottom w0.762: L7.1 6.38,84.12 7.84,85.58 C26.1
  vias: v3(46.77,91.43) v3(47.57,89.83) v3(49.17,89.83)
GND: length 323.4
  Top w0.152: 95.1,48.26 96.47,49.63 v1(96.47,50.22) ; v1(24.05,31.09) 24.71,31.75 SW_U1.1 ; v1(12.7,19.63) 13.39,20.32 SW_L1.1 ; v1(73.25,48.56) 72.95,48.26 72.24,48.26 ; SW_D1.1 32.87,9.38 v1(34.21,10.72) ; 83.67,36.83 83.67,37.5 v1(84.99,38.81) ; v1(46.13,21.46) 44.98,20.32 SW_R1.1
  Top w0.203: v1(62.76,98.32) 62.72,98.28 C90.2 ; C91.2 63.46,95.29 v1(64.08,94.67) ; 32.66,92.47 v1(32.62,92.43) ; C4.2 58.46,91.83 v1(58.32,91.69) ; C3.2 61.17,89.56 v1(62.36,88.37) ; v1(79.45,56.24) 79.45,58.07 SW_Y1.1
  Top w0.25: v1(48.57,78.08) 48.52,78.03 v1(47.52,78.03) ; v2(72.38,149.04) 72.44,148.99 78.28,148.99 79.24,149.95 C45.2
  Top w0.254: v1(81.36,104.57) 80.26,104.57 79.54,103.84 J10.10
  Top w0.305: v2(74.7,142.26) 75.03,141.93 C44.2 ; U8.2 81.5,144.65 81.01,144.16 81.01,142.94 81.15,142.8 81.25,142.8 82.23,141.82 v2(83.15,141.82) ; v3(45.97,93.03) 45.43,93.56 C104.2 45.78,93.93 C39.2 ; SW_X1.1 72.24,48.38 72.36,48.26 ; v1(47.96,95.91) 47.63,95.59 47.63,95.51 ; J3.1 32.85,121.9 v2(33.15,122.2) 33.35,122 J3.2 ; v2(88.75,154.2) 88.75,155.25 C46.2
  Bottom w0.152: v1(20.62,35.15) 20.71,35.06 C67.2 ; C94.2 v1(39.24,52.07) ; 84.63,108.33 85.88,108.33 v1(86.61,109.07) ; v1(86.56,112.06) 86.49,112.14 J8.3 ; C65.2 68.62,41.77 v1(68.63,41.78) ; C69.2 9.31,23.69 v1(9.4,23.77) ; R52.2 84.23,102.16 v1(84.35,102.29) ; v1(86.46,110.95) 86.39,110.87 J8.5 ; SW2.5 23.1,59.25 23.1,57.15 ; Y3.4 86.7,116.59 v2(86.11,116.59) ; v1(84.28,117.91) 84.1,117.73 R8.2 ; C74.2 43.33,60.52 v1(43.29,60.55) ; C95.2 16.35,48.37 SW2.8 ; v1(96.47,50.22) 96.62,50.06 C64.2 ; C70.2 49.29,23.25 v1(49.56,22.99) ; v1(84.99,38.81) 85.65,38.15 C63.2 ; C68.2 35.03,11.53 v1(34.21,10.72)
  Bottom w0.203: U26.37 11.59,78.46 12.26,79.13 12.62,79.13 v1(13.43,79.94) ; U26.30 8.23,77.26 10.48,75.01 10.58,75.01 v2(10.64,75.06) 10.69,75.01 U26.41 ; v1(62.36,88.37) 62.36,88.45 Y1.4 ; R7.2 64.72,153.95 v1(64.77,153.9) ; U26.29 9.09,76.76 9.62,76.23 v2(9.62,76.08) 9.77,76.08 U26.41 ; C66.2 86.5,62.57 v1(86.66,62.74) ; C58.2 50.13,59.98 49.33,59.18 v2(49.02,59.18) ; v1(34.05,94.7) 34.07,94.68 v1(34.74,94.68) 35.2,94.22 U5.C1 ; v2(19.98,78.11) 19.78,78.32 19.78,79.37 ; v3(37.2,89.97) 37.82,89.97 v1(37.86,89.93) ; 9.59,76.26 U26.41 ; 9.59,76.26 U26.33 ; 9.59,76.26 U26.28 ; U26.41 9.87,74.05 v2(9.62,74.05) 9.62,73.79 9.09,73.26 U26.19 ; U26.41 10.59,75.26 9.82,75.26 v2(9.62,75.06) 9.42,75.26 U26.26 ; U26.41 11.65,74.2 v2(11.65,74.05) 11.8,74.05 13.09,72.76 U26.10 ; U26.41 11.65,75.83 v2(11.65,76.08) 11.91,76.08 12.09,76.26 U26.38 ; Y1.2 59.52,91.69 v1(58.32,91.69) ; C11.2 v2(67.16,131.72) ; C73.2 106.63,152.48 v2(106.65,152.5) ; v1(32.62,92.43) 32.66,92.47 v1(33.65,92.47) 34.14,91.97 U5.B3 ; v2(91.95,121.3) 92.96,120.29 92.96,119.77 90.53,119.77 90.51,119.8 ; v2(106.75,155.6) 106.67,155.52 R48.2 ; v1(64.82,155.8) 64.79,155.83 R6.1 ; R72.2 20.48,71.8 v2(21.35,72.68) 21.96,72.07 R90.2 ; R54.2 v1(49.15,133.55) ; 2.76,79.64 2.76,78.43 2.72,78.43 v2(2.46,78.16) ; 88.21,118.1 Y3.4 ; C12.2 v2(80.4,123.95) ; C8.2 v2(83.57,125.1)
  Bottom w0.25: v2(23.62,125.98) 22.29,124.65 Q1.2 ; J4.11 83.13,141.84 v2(83.15,141.82) ; v3(49.06,81.54) 49.06,82.06 v1(49.22,82.23) ; v2(72.85,154.77) 73.15,154.47 J4.11 ; U17.E5 v1(49.6,67.73) v1(50.32,67.73) ; v2(24.89,120.54) 24.83,120.48 Q4.2 ; 25.97,139.38 24.35,139.38 v2(24.28,139.45) ; 55.7,56.79 U9.2 ; 55.7,56.79 55.92,57.01 55.92,57.29 ; 55.7,56.79 55.7,56.79 55.7,56.44 55.55,56.29 U9.3 ; Q2.2 26.35,125.8 v2(25.91,126.24) ; U6.C1 45.06,79.56 v1(45.47,79.98) ; R1.1 20.8,106.6 v1(20.45,106.25) ; C71.2 98.65,145.8 v2(98.55,145.69) ; 55.92,57.29 57.76,59.14 v1(57.76,59.94) 57.76,58.94 ; 55.92,57.29 U9.1 ; U17.C1 47.02,71.78 v1(46.47,72.33) v1(45.65,72.33) ; 31.29,141.85 31.8,141.85 32.83,142.88 32.83,143.38 32.93,143.38 v2(32.95,143.4) ; v2(28.78,71.35) 28.72,71.29 C84.2 ; U9.6 53.95,54.66 v2(53.72,54.43) 53.45,54.7 U9.7 ; U6.B3 47.06,78.49 v1(47.52,78.03) ; v2(78.53,156.71) 78.5,156.67 J4.6 ; v2(74.7,142.26) 76.43,143.99 J4.11 ; C72.2 100.06,117.21 v2(99.31,117.96) ; v1(19.25,106.88) 18.95,107.19 JP4.1
  Bottom w0.254: U19.5 84.95,125.62 84.09,126.48 C8.2 ; 82.99,14.73 v2(81.03,14.73) ; v2(87.12,7.62) 87.28,7.77 U25.1 ; U25.21 99.43,26.28 v2(99.57,26.42) ; v2(47.75,57.4) 48.98,56.17 C59.2 ; U25.13 85.49,22.22 C40.2 81.8,22.37 v2(81.79,22.35) ; C32.2 81.36,105.65 v1(81.36,104.57) ; U25.36 106.51,8.98 v2(106.68,9.14) ; v2(106.68,18.8) 106.49,18.61 U25.28 ; v2(98.55,30.48) 98.49,30.54 R26.2 ; v2(91.44,30.48) 91.45,30.49 C33.2 ; 41.95,149.78 41.95,151 v1(42.05,151.1) ; R10.2 v2(15.24,4.57) ; v2(11.94,4.57) 12,4.64 R56.2
  Bottom w0.305: v2(14.53,121.67) 14.49,121.7 C81.2 C80.2 14.49,126.76 15.17,127.44 U12.7 ; C76.2 15.95,77.79 v2(15.66,77.5) ; C28.2 18.39,72.74 v2(18.46,72.68) ; v2(93.98,125.73) 93.87,125.62 U19.10 ; v2(5.84,108.2) 4.86,107.23 U10.4 ; C83.2 v2(20.93,137.06) ; J4.11 88.26,154.69 v2(88.75,154.2) ; v2(34.15,155.2) 33.27,154.33 U14.2 ; v2(2.79,108.2) 2.79,107.65 U10.1 ; U3.6 43.41,128.27 42.95,127.81 42.95,126.59 v2(42.49,126.14) ; C105.2 v2(84.33,79.5) ; v2(4.83,103.63) 4.36,104.09 U10.6 ; 47.88,37.65 v2(47.88,36.07) ; U21.8 15.48,117.08 v2(15.75,117.35) ; v2(4.47,74.47) 4.15,74.79 C87.2 ; 72.82,154.8 v2(72.85,154.77) ; v2(53.95,148.01) 53.95,148 U1.2 ; 20.31,141.22 20.31,142.84 v2(20.52,143.05) ; v2(14.42,117.35) 14.48,117.28 U21.6 ; v1(52.3,130.91) 52.86,130.35 52.86,128.49 52.49,128.13 C5.2 51.88,128.27 U3.3 ; 31.55,146.38 v2(31.55,147.8) ; C57.1 v2(29.15,157.2) ; v2(8.03,131.22) 8.08,131.27 R22.2 ; 46.61,37.65 v2(46.61,36.07) ; U13.5 38.94,128.14 38.79,128.3 38.79,130.14 C6.2 38.33,130.76 v2(38.25,130.84)
  Bottom w0.508: J1.A12 57.2,150.35 v2(57.31,150.24) ; U23.2 v2(54.61,19.56) ; U20.2 12.43,8.87 v2(12.45,8.89) ; C26.2 4.89,87.61 v2(6.32,89.03) ; v2(50.52,150.12) 50.7,150.3 J1.A1 ; v2(56.64,17.53) 56.9,17.27 U24.2 ; U21.4 13.22,115.3 v2(12.7,115.82) ; v2(5.33,5.59) 5.05,5.87 C10.2 ; 29.33,134.4 30.58,134.4 v2(30.78,134.6) ; C7.2 6.15,10.36 v2(6.35,10.16) ; C22.2 v2(31.5,128.78)
  Bottom w0.762: v2(14.22,62.23) 14.29,62.3 C24.2 ; C89.2 12.51,64.75 v2(12.41,64.65) ; v2(1.78,104.9) 1.27,105.41 C79.2 2.04,106.41 2.36,106.1 U10.9 5.66,106.1 v2(5.84,105.92) ; v2(10.89,64.65) 10.43,65.11 C88.2 ; C93.2 10.08,83.65 v2(10.13,83.7) ; 3.51,113.05 9.09,113.05 C2.2 ; v2(9.14,62.23) 9.16,62.21 9.16,62.16 C27.2
  vias: v1(60.33,94.79) v1(60.88,98.32) v1(61.82,98.32) v2(4.27,117.91) v2(7.98,117.81) v2(10.64,76.08) v2(10.64,74.05) v2(11.65,75.06) v2(12.16,83.94) v2(13.94,88.53) v2(14.19,85.99) v2(14.73,114.55) v2(17.75,68.21) v2(23.11,80.26) v2(29.95,153.6) v2(30.35,154.4) v2(47.75,100.58) v2(49.28,99.31) v2(50.29,103.12) v2(50.8,147.83) v2(51.82,101.85) v2(52.07,13.97) v2(52.32,19.05) v2(52.83,141.22) v2(52.83,105.66) v2(53.09,22.35) v2(53.59,26.67) v2(54.36,104.39) v2(54.61,139.45) v2(54.86,107.7) v2(55.63,137.41) v2(55.63,133.86) v2(55.63,129.79) v2(55.63,124.71) v2(55.69,118.8) v2(55.63,115.82) v2(55.68,112.12) v2(55.63,109.73) v2(56.13,103.89) v2(56.13,29.21) v2(56.39,146.81) v2(56.39,144.53) v2(56.39,106.43) v2(56.39,21.34) v2(56.64,142.24) v2(56.64,24.64) v2(57.66,139.7) v2(57.66,137.41) v2(57.66,133.86) v2(57.66,129.79) v2(57.63,124.8) v2(57.66,118.87) v2(57.66,115.82) v2(57.61,112.09) v2(57.66,108.97) v2(58.67,31.75) v2(58.67,26.92) v2(61.21,103.93) v2(61.22,101.57) v2(61.72,72.39) v2(61.72,67.06) v2(61.72,62.48) v2(61.72,58.42) v2(61.72,54.1) v2(61.72,49.78) v2(61.72,45.21) v2(61.72,40.39) v2(61.72,35.05) v2(61.98,30.23) v2(63.5,75.44) v2(64.52,70.61) v2(64.52,67.06) v2(64.52,62.48) v2(64.52,58.42) v2(64.52,45.21) v2(64.52,40.39) v2(64.52,35.05) v2(65.53,73.41) v2(66.8,103.89) v2(66.8,101.6) v2(66.8,78.49) v2(68.58,76.71) v2(69.85,81.53) v2(70.61,100.58) v2(70.87,103.89) v2(71.63,79.76) v2(72.39,84.07) v2(72.64,98.04) v2(72.64,92.96) v2(72.64,87.63) v2(74.93,98.04) v2(74.93,92.96) v2(74.93,87.63) v2(74.93,83.31) v2(90.3,99.21) v2(90.47,95.55) v2(90.98,91.21) v2(95.5,17.27) v2(95.5,15.75) v2(95.5,14.22) v2(97.03,17.27) v2(97.03,15.75) v2(97.03,14.22) v2(98.02,91.03) v2(98.3,103.99) v2(98.22,98.58) v2(98.55,17.27) v2(98.55,15.75) v2(98.55,14.22) v2(100.79,101.14) v2(100.91,91.19) v3(43.57,97.83) v3(43.57,93.83) v3(43.57,91.43) v3(43.57,89.03) v3(43.57,86.63) v3(45.97,91.43) v3(45.97,86.63) v3(46.02,69.73) v3(46.77,97.83) v3(46.77,92.23) v3(46.77,89.83) v3(47.57,93.03) v3(47.57,91.43) v3(48.37,94.63) v3(48.37,92.23) v3(48.37,90.63) v3(48.37,89.03) v3(48.37,86.63) v3(49.17,97.83) v3(49.17,94.63) v3(49.17,93.03) v3(49.17,92.23) v3(49.17,91.43) v3(49.17,88.23) v3(49.97,92.23) v3(49.97,90.63) v3(49.97,89.03) v3(50.77,95.43) v3(50.77,93.83) v3(50.77,89.83) v3(50.77,86.63) v3(51.57,91.43) v3(52.37,90.63) v3(53.17,95.43) v3(53.17,94.63) v3(53.97,93.03) v3(53.97,92.23) v3(54.77,97.83) v3(54.77,92.23) v3(54.77,91.43) v3(54.77,86.63)
